# KiCad board AMC_FMC_Carrier-PcbDoc.kicad_pcb (continued)
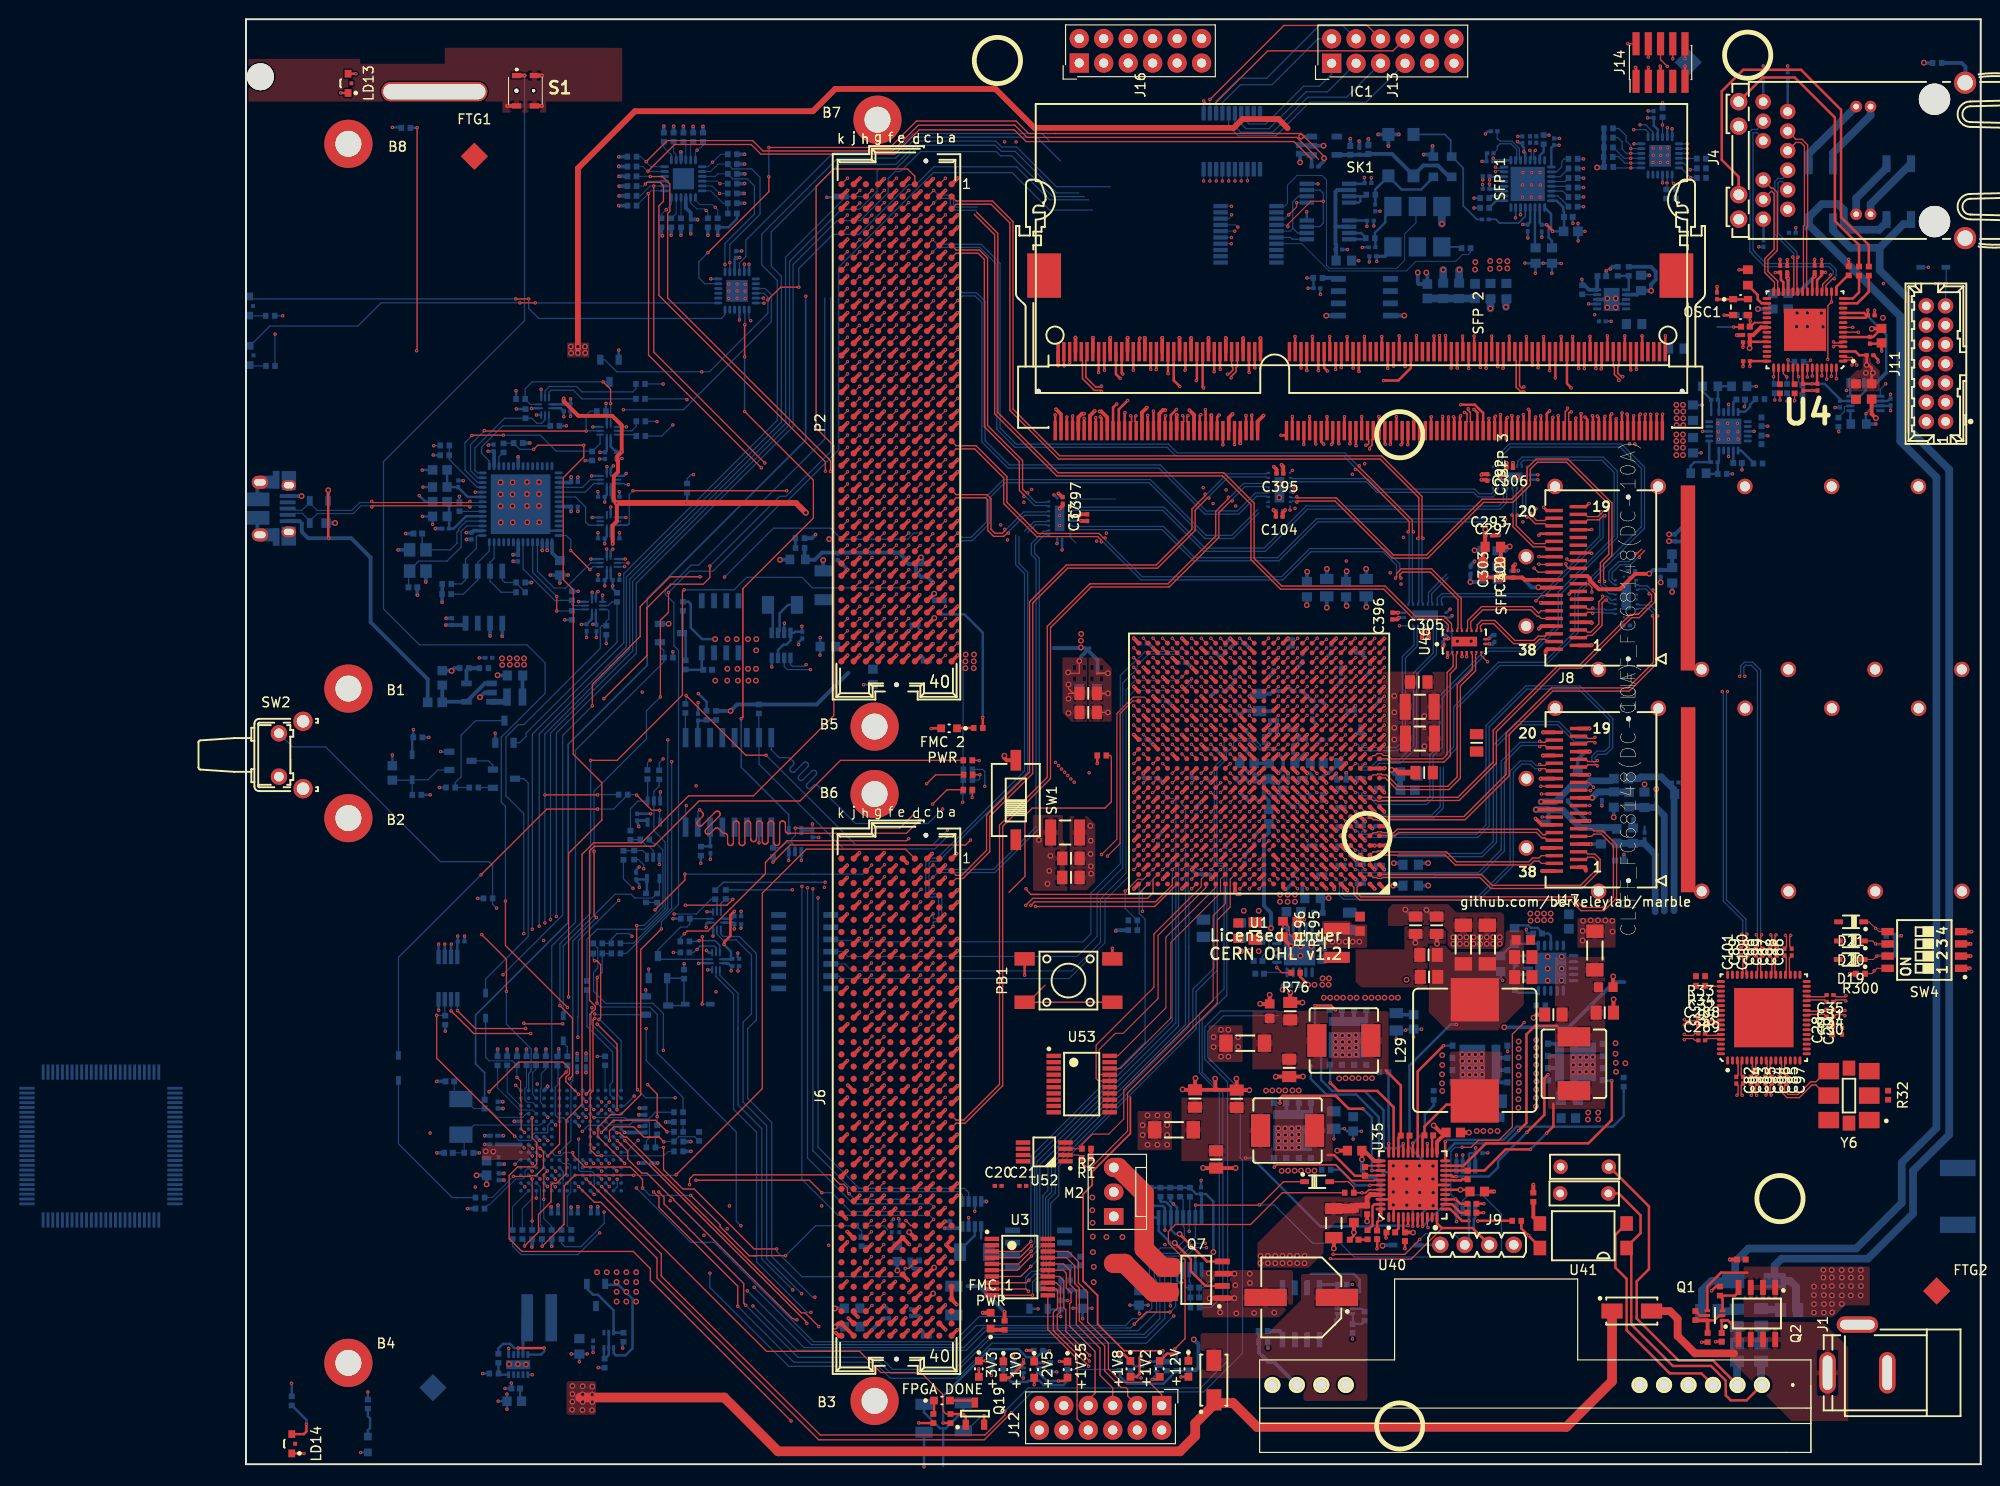
[diagram p0: board, top side]
## Routing (per net, layer and track width the routed paths; a pad name or vN(x,y) marks a point on that pad's centre or on a via; arc(x,y) is an arc through that point) (continued)
Net-(R154-Pad2): length 5.6
  Bottom w0.102: 29.59,28.92 29.64,28.87 ; 29.64,28.87 29.64,28.88 29.33,29.19 ; 29.64,28.87 29.75,28.76 29.75,27.61 28.67,26.53 R154.2
  Bottom w0.127: 29.33,29.19 29.33,29.18
Net-(R155-Pad2): length 9.1
  Top w0.127: v1(43.69,34.51) 42.49,35.7 38.15,35.7 v1(36.88,34.43)
  Bottom w0.102: R155.2 v1(43.69,34.51)
  Bottom w0.127: 36.53,34.79 36.53,34.78 v1(36.88,34.43)
Net-(R156-Pad2): length 4.8
  Top w0.254: R156.2 168.39,121.7 167.2,120.51 U4.13
Net-(R161-Pad1): length 1.4
  Top w0.254: U1.M6 v1(113.12,71.73)
  Bottom w0.4: v1(113.12,71.73) 113.12,71.16 R161.1
Net-(R168-Pad2): length 4.5
  Bottom w0.254: R189.1 131.47,54.03 R168.2 133.9,54.03 U36.16
Net-(R190-Pad2): length 5.9
  Top w0.178: v1(116.61,28.95) 116.65,28.99 U35.39
  Bottom w0.254: v1(116.61,28.95) 115.16,28.95 113.54,30.57 R190.2
Net-(R191-Pad2): length 8.4
  Top w0.254: U35.33 118.58,33.28 v1(118.57,33.28)
  Bottom w0.254: v1(118.57,33.28) 118.57,35.06 118.55,35.08 R191.2
Net-(R192-Pad2): length 6.4
  Top w0.254: v1(121.08,33.33) 121.08,33.32 U35.28
  Bottom w0.254: v1(121.08,33.33) 122.32,34.57 122.32,36.31 123.24,37.23 R192.2
Net-(R193-Pad2): length 3.6
  Top w0.254: R193.2 116.89,24.79 116.89,26.77 117.1,26.99 U35.43
Net-(R194-Pad2): length 24.7
  Top w0.254: U35.22 v1(124.43,33.49)
  Bottom w0.254: R194.2 142.95,36.16 141.83,35.04 131.85,35.04 130.47,33.66 124.6,33.66 v1(124.43,33.49)
Net-(R195-Pad2): length 3.8
  Top w0.102: v1(107.6,55.67) R196.1 107.65,56.37 108.25,55.76 108.25,55.01 108.49,54.77 R195.2
  Bottom w0.102: v1(107.6,55.67) 107.93,55.67 U37.16
Net-(R197-Pad2): length 7.6
  Bottom w0.4: R197.2 105.09,13.81 R198.1 105.09,11.61 106.09,10.61 106.66,10.61 U40.9
Net-(R200-Pad2): length 1.6
  Bottom w0.127: R200.2 26.7,105.03 26.25,104.58 U23.17
Net-(R210-Pad2): length 2.6
  Bottom w0.127: R210.2 45.59,75.46 U30.1
Net-(R262-Pad2): length 1.8
  Bottom w0.127: R262.2 165.24,108.67 165.85,109.28 165.85,109.71 165.95,109.81 166.24,109.81
Net-(R263-Pad2): length 255.2
  In2.Cu w0.127: 163.9,31.74 152.52,20.36 113.33,20.36 106.75,13.78 104.95,13.78 98.73,7.56 79.52,7.56 78.46,8.63 67.11,8.63 66.1,9.64 51.56,9.64 38.4,22.8 35.23,22.8 32.18,25.85 30.35,25.85 29.49,26.71 24.25,26.71 23.06,27.91 23.06,34.76 25.85,37.56 25.85,38.5 25.14,39.21 25.14,56.86 v1(26.01,57.72) 32.38,57.72 35.72,54.39 35.72,47.58 v1(35.9,47.4)
  In2.Cu w0.15: 163.9,31.74 166.27,31.74
  Bottom w0.127: 25.19,62.55 25.51,62.23 ; 25.19,62.55 25.59,62.16 ; 25.19,62.55 20.16,62.55 8.25,74.46 4.83,74.46 SW2.2 ; 25.51,62.23 25.55,62.2 ; 25.51,62.23 25.59,62.16 ; 38.56,42.99 35.85,45.7 35.85,47.1 35.9,47.15 v1(35.9,47.4) ; 38.56,42.99 38.56,38.36 38.93,37.99 ; 38.56,42.99 38.56,43.01 ; 25.59,62.16 R263.2 25.59,58.14 v1(26.01,57.72)
Net-(R274-Pad2): length 4.3
  Bottom w0.102: R42.1 49.5,130.9 48.21,132.19 U5.18
  Bottom w0.127: R42.1 R274.2
Net-(R281-Pad1): length 2.5
  Top w0.4: R281.1 133.58,25.66 U41.3
Net-(R283-Pad2): length 41.6
  Top w0.127: U1.T5 v1(114.1,75.71)
  Top w0.13: v1(76.07,73.04) 76.04,73.07 R286.1
  In2.Cu w0.127: v1(84,72.85) 84.01,72.85 84.49,73.33 85.03,73.33 85.03,73.34 96.37,73.34 96.42,73.28 100.3,73.27 100.47,73.44 100.47,73.58 100.98,74.1 102.38,74.1 102.4,74.08 107.99,74.08 108.43,74.52 108.43,74.55 109.21,75.33 113.72,75.33 v1(114.1,75.71)
  In4.Cu w0.127: v1(76.07,73.04) 76.84,73.04 77.03,72.85 v1(84,72.85)
  Bottom w0.13: R283.2 75.4,73.04 v1(76.07,73.04)
Net-(R284-Pad1): length 45.8
  Top w0.127: 116.62,75.23 v1(117.09,75.71) ; v1(76.15,71.57) R287.1
  In2.Cu w0.127: v1(117.09,75.71) 116.73,76.07 114.96,76.07 113.98,75.1 109.99,75.1 108.23,73.34 107.53,73.34 107.52,73.32 101.03,73.32 100.62,72.92 95.47,72.92 95.29,73.11 84.89,73.11 v1(84.31,72.53)
  In4.Cu w0.127: v1(84.31,72.53) 83.35,71.57 v1(76.15,71.57)
  GND5.Cu w0.127: 76.15,71.56 v1(76.15,71.57)
  Bottom w0.13: v1(76.15,71.57) 76.15,71.16 76.02,71.03 R284.1
Net-(R285-Pad1): length 43.5
  Top w0.102: U1.P5 v1(114.12,73.73)
  Top w0.13: R288.1 75.37,69.23 v1(75.35,69.21)
  In2.Cu w0.127: v1(114.12,73.73) 113.08,72.69 110.56,72.69 109.7,71.83 109.7,71.68 109.39,71.37 101.22,71.37 100.93,71.08 99.31,71.08 99.29,71.11 91.86,71.11 91.73,70.98 87.2,70.98 86.52,71.65 85.42,71.65 v1(85.27,71.5)
  In4.Cu w0.127: v1(75.35,69.21) 75.81,69.66 83.44,69.66 v1(85.27,71.5)
  Bottom w0.13: R285.1 75.32,69.24 v1(75.35,69.21)
Net-(R291-Pad1): length 1.7
  Top w0.13: U4.43 158.52,112.9 v1(158.51,112.89)
  Bottom w0.13: v1(158.51,112.89) 158.51,112.26 R291.1
Net-(R292-Pad1): length 1.6
  Top w0.127: v1(160,114.64) 160,113.83 U4.46
  Bottom w0.127: v1(160,114.64) 160.21,114.44 R292.1
Net-(R293-Pad1): length 1.8
  Top w0.127: R293.1 159.02,112.26 U4.44
Net-(R294-Pad1): length 1.8
  Top w0.127: v1(159.88,112.86) 159.52,113.22 U4.45
  Bottom w0.127: v1(159.88,112.86) 159.88,112.16 R294.1
Net-(R295-Pad1): length 1.8
  Top w0.127: R295.1 160.52,112.28 U4.47
Net-(R296-Pad1): length 2
  Top w0.127: U4.48 161.02,112.97 v1(161.1,112.89)
  Bottom w0.127: v1(161.1,112.89) 161.1,112.39 R296.1
Net-(U1-PadAA2): length 0.7
  Top w0.2: U1.AA2 v1(117.12,80.73)
Net-(U1-PadD11): length 0.7
  Top w0.102: U1.D11 v1(108.12,62.73)
Net-(U1-PadG11): length 0.7
  Top w0.102: U1.G11 v1(108.12,65.73)
Net-(U1-PadJ14): length 0.7
  Top w0.102: U1.J14 v1(104.12,67.73)
Net-(U1-PadV12): length 0.7
  Top w0.102: U1.V12 v1(107.12,77.73)
Net-(U1-PadW20): length 0.7
  Top w0.11: v1(98.11,78.74) 98.11,78.74 U1.W20
Net-(U1-PadY21): length 0.7
  Top w0.11: v1(97.12,79.73) 97.12,79.73 U1.Y21
Net-(U4-Pad7): length 9.6
  Top w0.127: v1(167.29,117.51) 167.29,117.51 U4.7
  In2.Cu w0.127: v1(170.14,112.15) 170.14,114.66 v1(167.29,117.51)
  Bottom w0.127: 169.58,110.85 169.58,111.59 v1(170.14,112.15)
Net-(U15-Pad8): length 6.4
  Bottom w0.127: U23.34 34.2,100.41 35.24,99.37 35.24,97.82 35.58,97.48 U15.8
Net-(U20-Pad28): length 0
  Bottom w0.178: 130.54,132.67 130.53,132.68
Net-(U23-Pad32): length 4.6
  Bottom w0.127: U23.32 34.93,101.41 35.72,102.2 U38.9
Net-(U23-Pad33): length 4.7
  Bottom w0.127: U38.8 36.1,101.8 35.21,100.91 U23.33
Net-(U23-Pad42): length 6.5
  Top w0.127: v1(33.7,94.85) 33.72,94.85 v1(35.68,92.88)
  Bottom w0.127: U23.42 33.24,96.41 33.7,95.95 v1(33.7,94.85) ; U25.8 35.97,93.16 v1(35.68,92.88)
Net-(U23-Pad46): length 11.3
  Bottom w0.127: U25.9 35.76,93.56 33.16,90.96 31.98,90.96 30.25,92.69 U23.46
Net-(U34-Pad1): length 0.9
  Bottom w0.127: U34.1 149.58,137.07 v1(149.59,137.08)
Net-(U34-Pad2): length 0.9
  Bottom w0.127: U34.2 149.57,136.57 v1(149.58,136.57)
Net-(U34-Pad3): length 0.9
  Bottom w0.127: v1(149.58,136.08) 149.57,136.07 U34.3
Net-(U39-Pad17): length 79.4
  Top w0.127: 112,135.64 109.5,138.14 84,138.14 ; v1(54.25,133.65) 54.25,132.1 v1(47.93,125.77) ; 84,138.14 83.89,138.14 ; 84,138.14 81.2,138.14 79.91,139.44 69.57,139.44 66.82,136.69 v1(54.25,136.69)
  Bottom w0.127: U39.17 47.59,122.55 46.99,123.16 46.99,124.83 v1(47.93,125.77) ; v1(54.25,133.65) v1(54.25,136.69)
Net-(U40-Pad3): length 23.9
  Top w0.254: 143.74,25.06 143.33,25.06 142.09,23.82 142.09,20.41 143.26,19.25 143.26,13.91 147.74,9.43 151.02,9.43 U40.3

## Copper pours and planes (outline as drawn; the poured copper is in the pictures)
+1V0 on Top: 118.95,58.13 124.74,58.13 125.57,57.29 130.27,57.29 130.55,57.01 130.55,54.22 129.82,53.48 125.09,53.48 124.56,54.02 124.56,55.31 124,55.87 118.49,55.87 118.49,57.67
+1V0 on Top: 117.68,82.29 121.74,82.29 121.74,72.84 118.29,72.84 117.68,73.45
+1V0 on In4.Cu: 105.76,66.95 103.48,69.23 103.48,76.47 104.09,77.08 115.57,77.11 120.84,82.38 125.04,82.36 129.56,77.84 129.56,52.62 112.72,52.62 112.72,64.3 110.08,66.95
+1V0 on GND5.Cu: 108.86,67.17 106.58,69.46 106.58,76.7 107.19,77.31 118.67,77.34 123.94,82.61 128.14,82.59 132.66,78.07 132.66,52.85 115.82,52.85 115.82,64.53 113.18,67.17
+1V0 on PWR6.Cu: 107.24,67.17 106.58,67.83 106.58,76.7 107.19,77.31 121.17,77.32 123.02,79.38 127.97,79.27 132.59,74.29 132.66,53.48 132.66,52.85 115.82,52.85 115.82,64.53 113.18,67.17
+1V8 on Top: 138.14,53.63 142.13,53.63 142.13,56.68 138.14,56.68
+1V8 on Bottom: 109.02,51.68 109.02,50.54 108.79,50.31 108.79,49.19 113.39,49.19 113.39,51.88 112.83,52.44 111.05,52.44 111.05,51.68
+1V8 on PWR6.Cu: 111.73,46.62 143.48,46.62 143.48,57.67 132.89,57.67 132.89,53.13 132.38,52.62 116.05,52.62 115.52,52.09 111.73,52.09
+1V35 on Bottom: 152.41,109.23 150.15,109.25 149.36,110.28 148.21,110.27 148.07,110.12 148.06,107.68 148.21,107.53 152.05,107.53 152.13,107.45 152.41,107.45
+1V35 on PWR6.Cu: 147.14,81.78 144.68,79.31 122.73,79.31 119.73,76.32 119.2,76.32 117.78,77.74 116.99,77.74 116.35,78.37 116.35,79.44 115.29,80.51 115.29,83.73 111.81,87.29 101.83,87.29 101.11,88 101.09,107.13 103.04,107.13 103.04,104.79 116.2,104.79 121.43,99.56 141.32,99.56 147.14,93.72
+2V5 on Top: 92.5,36.67 96.06,36.67 96.06,32.6 92.5,32.6
+2V5 on Top: 87.43,83.73 88.75,83.73 89.82,82.67 89.82,77.08 87.43,77.08
+2V5 on Top: 85.45,67.29 87.28,67.29 88.12,66.45 88.12,60.43 87.28,59.6 85.5,59.6
+2V5 on Bottom: 60.37,83.63 62.23,81.78 75.59,81.78 75.94,82.13 75.94,85.06 75.08,85.92 60.78,85.92 60.37,85.51
+2V5 on Bottom: 61.12,12.56 61.12,17.06 68.81,17.06 68.81,12.59
+2V5 on Bottom: 87.53,82.52 89.51,82.52 89.84,82.49 89.84,77.59 87.53,77.59
+2V5 on Bottom: 85.5,65.16 88.12,65.16 88.12,60.43 87.28,59.6 85.5,59.6
+2V5 on In2.Cu: 117.15,69.41 119.84,72.02 119.84,79.34 112.6,79.34 110.52,77.26 107.57,77.26 104.47,80.36 98.71,80.36 96.24,77.89 96.24,75.35 111.81,75.35 111.99,75.2 112.17,74.87 112.17,74.54 111.46,73.83 111.46,69.82 111.86,69.41
+2V5 on PWR6.Cu: 96.87,32.35 96.87,51.93 106.32,61.38 106.32,76.7 107.29,77.66 112.19,77.66 112.39,77.46 113,77.46 113.94,78.4 116.02,78.4 116.25,78.63 116.25,79.31 115.06,80.51 115.06,83.79 111.86,86.99 81.1,86.99 79.12,85 79.12,42.84 89.61,32.35
+3.3VP on Top: 33.32,116.42 35.61,116.42 35.61,114.9 33.32,114.9
+3.3VP on Bottom: 35.73,20.56 41.45,20.56 41.45,15.94 38.73,15.94 35.73,18.94
+3.3VP on PWR6.Cu: 41.2,94.58 67.99,94.58 67.99,92.04 58.85,82.9 42.85,82.9 41.83,81.88 41.83,56.61 46.02,52.42 46.02,39.84 48.18,37.68 48.18,24.98 113.08,24.98 115.36,27.27 128.06,27.27 128.06,20.92 115.87,20.92 114.09,19.14 48.18,19.14 48.18,0.73 18.46,0.73 11.6,1.49 6.14,1.49 6.14,7.97 0.56,7.97 0.56,116.55 41.2,116.55
+3V3 on Top: 99.87,45.56 103.43,45.56 103.43,41.75 99.87,41.75
+3V3 on Bottom: 106.05,55.54 106.05,56.96 105.72,57.29 105.72,57.62 105.41,57.93 103.2,57.93 102.49,57.22 102.49,55.54
+3V3 on Bottom: 121.08,124.24 123.19,124.24 123.19,121.91 121.08,121.91
+3V3 on PWR6.Cu: 173.96,142.71 177.85,142.71 177.85,78.83 173.83,78.83
+3V3 on PWR6.Cu: 167.18,142.71 174.04,142.71 174.04,78.83 166.8,78.83 166.8,61.69 171.37,61.69 171.37,3.39 168.96,3.39 168.96,0.73 48.44,0.73 48.44,18.89 68.12,18.89 68.5,19.27 68.88,19.27 69.26,18.89 114.09,18.89 116,20.79 128.19,20.79 128.19,27.78 115.49,27.78 112.95,25.24 48.44,25.24 48.44,37.81 46.28,39.97 46.28,52.54 42.09,56.73 42.09,81.75 43.1,82.77 58.98,82.77 68.12,91.91 68.12,94.71 41.32,94.71 41.32,116.81 0.56,116.81 0.56,140.94 39.54,140.94 39.54,145.13 167.18,145.13 ; 1 cut-out
+3V3_CLEAN on Bottom: 126.64,121.78 126.74,121.8 131.59,121.85 131.59,125.28 126.64,125.31
+3V3_CLEAN on In4.Cu: 112.61,118.13 130.79,118.11 139.19,126.29 139.12,126.19 139.09,136.75 134.88,141.01 131.07,141.01 127.21,138.32 108.66,138.32 108.58,121.78
+3V3_USB on Bottom: 24.81,82.08 27.66,82.08 28.01,81.73 28.01,78.53 29.61,78.53 29.61,83.81 29.21,84.22 24.81,84.22
+3V3_USB on In2.Cu: 17.07,78.83 17.07,68.93 21.64,68.93 22.91,70.2 22.91,75.53 26.18,78.81
+3V3_USB on In2.Cu: 38.88,110.89 38.88,87.19 30.38,78.68 17.07,78.68 17.07,110.89
+12V on Top: 104.95,20.41 110.28,20.41 111.81,21.94 111.81,23.79 113.05,25.03 116.65,25.06 116.67,27.8 109.78,27.78 104.95,22.95
+12V on Top: 155.39,20.51 155.39,15.26 164.69,15.26 165.9,16.48 168.49,16.48 168.49,20.51
+12V on Bottom: 110.92,16.73 110.92,22.24 104.8,22.24 104.8,16.73
+12V on Bottom: 105.41,35.4 115.47,35.42 115.47,38.37 111.78,38.37 110.72,39.44 105.41,39.41
+12V on Bottom: 111.35,45.08 121.79,45.08 121.79,49.11 111.35,49.11
+12V on Bottom: 133.32,44.62 137.13,44.62 137.13,35.35 133.32,35.35
+12V on Bottom: 128.83,39.27 129.41,38.69 129.41,35.19 131.62,35.19 132.66,36.24 132.66,44.49 128.83,44.49
+12V on Bottom: 47.99,85.97 53.32,85.97 53.32,81 47.99,81
+12V on Bottom: 91.88,29.43 91.88,23.33 93.55,21.67 93.55,16.96 85.15,16.96 85.15,19.15 83.56,20.74 83.56,25.76 87.23,29.43
+12V on In7.Cu: 86.94,12.36 82.5,12.36 78.56,8.42 57.99,8.42 56.13,8.45 50.7,13.88 50.7,28.29 60.5,28.29 60.5,22.06 63.62,18.94 75.64,18.94 86.97,30.27 86.87,30.27 87.09,30.5
+12V on In7.Cu: 156.23,74.77 166.95,74.77 166.95,61.15 168.78,59.32 170.66,59.32 170.66,12.36 86.61,12.36 86.61,33.06 102.61,49.06 135.4,49.06 156.23,69.89
+12V on In7.Cu: 55.74,86.05 55.74,61.03 60.47,56.29 60.47,25.89 50.73,25.89 50.75,51.45 48.31,53.6 47.5,53.6 47.5,86.05
+12V_FMC1 on Bottom: 70.41,21.99 71.57,23.16 75.21,23.16 75.21,17.67 72.39,17.67 71.42,16.83 69.95,16.83 69.95,21.58
+12V_FMC2 on Bottom: 56.28,87.98 57.1,87.16 71.85,87.16 72.18,87.49 72.18,90.31 71.55,90.95 56.84,90.95 56.28,90.39
GND on Top: 120.19,53.46 120.19,55.82 124.05,55.82 124.51,55.36 124.51,54.04 122.6,54.04 122.6,49.5 115.72,49.5 115.14,50.08 115.14,53.46
GND on Top: -1.86,145.89 11.86,145.89 11.86,145.38 20.62,145.38 20.62,147.03 39.04,147.03 39.04,141.44 31.16,141.44 31.16,140.3 26.59,140.3 26.59,141.44 -1.86,141.44
GND on Top: 84.71,83.76 87.28,83.76 87.28,77.08 85.65,77.08 84.63,78.1 84.74,78.1
GND on Top: 81.64,67.39 84.76,67.39 84.76,64.83 85.25,63.99 85.25,59.52 81.67,59.52
GND on Top: 121.81,82.26 121.81,72.81 124.55,72.81 124.55,82.26
GND on Top: 99.22,20.16 108.65,20.16 108.66,16.7 107.19,15.23 99.23,15.23
GND on Bottom: 129.31,35.4 129.51,35.19 130.65,35.19 130.78,35.07 130.78,34.05 130.58,33.85 127.48,33.85 127.35,33.98 127.35,38.93 129,38.93 129.31,38.62
GND on Bottom: 106.05,55.34 102.49,55.34 102.49,52.37 104.37,50.49 105.21,50.49 105.21,52.34 106.05,53.18
GND on Bottom: -1.86,145.89 11.86,145.89 11.86,145.38 20.62,145.38 20.62,147.03 39.04,147.03 39.04,141.44 31.16,141.44 31.16,140.3 26.59,140.3 26.59,141.44 -1.86,141.44
GND on Bottom: 69.82,16.6 74.88,16.6 74.88,14.82 73.12,13.07 69.82,13.07
GND on Bottom: 81.72,59.7 85.25,59.7 85.25,64.4 81.72,64.4
GND on Bottom: 107.19,32.35 111.73,32.35 111.73,30.04 107.19,30.04
GND on Bottom: 112.93,42.05 117.45,42.05 117.45,39.03 112.93,39.03
GND on Bottom: 123.03,42.94 125.75,42.94 125.75,38.4 123.03,38.4
GND on Bottom: 140.18,44.31 144.45,44.31 144.45,40.25 140.18,40.25
GND on Bottom: 137.44,38.99 140.97,38.98 140.97,35.14 137.44,35.16
GND on GND1.Cu: 173.99,142.71 177.85,142.71 177.85,78.83 173.83,78.83
GND on GND1.Cu: 26.72,144.36 31.04,144.36 31.04,140.3 26.72,140.3
GND on GND1.Cu: 39.93,140.81 39.93,145.13 166.93,145.13 166.93,142.71 174.04,142.71 174.04,78.83 166.67,78.83 166.67,61.81 171.24,61.81 171.24,3.65 168.7,3.65 168.7,0.85 22.15,0.85 22.15,4.16 -1.73,4.16 -1.73,7.2 0.3,7.2 0.3,140.81
GND on GND3.Cu: 173.96,141.57 177.85,141.57 177.85,78.83 173.83,78.83
GND on GND3.Cu: 39.93,140.81 39.93,145.13 166.93,145.13 166.93,141.57 174.04,141.57 174.04,78.83 166.67,78.83 166.67,61.81 171.24,61.81 171.24,3.65 168.7,3.65 168.7,0.85 22.15,0.85 22.15,4.16 -1.73,4.16 -1.73,7.2 0.3,7.2 0.3,140.81
GND on PWR6.Cu: 173.96,141.57 177.85,141.57 177.85,78.83 173.83,78.83
VCCAUX on In9.Cu: 107.75,74.51 106.92,75.34 106.92,76.74 107.48,77.3 111.05,77.3 113.02,75.33 122.54,75.33 122.54,70.48 110.48,70.48 109.06,69.05 107.91,69.05 107.75,69.22
VCCAUXIO2V0 on Bottom: 112.57,72.15 112.57,76.42 109.65,76.42 109.65,72.15
VCCAUXIO2V0 on Bottom: 152.38,107 150.96,107 150.7,107.25 148.21,107.25 148.06,107.1 148.06,104.43 148.32,104.18 149.33,104.18 149.51,104.35 149.51,105.57 149.64,105.7 152.38,105.7
VCCAUXIO2V0 on In7.Cu: 143.38,91.1 147.29,91.1 147.29,87.57 136.19,76.47 131.49,71.54 114.74,71.54 113.59,72.63 113.59,75.94 113.74,76.09 128.37,76.09
VCCBRAM on Top: 111.66,56.4 114.5,56.4 114.86,56.05 116.33,56.05 116.33,53.58 111.66,53.58
VCCBRAM on In7.Cu: 117.45,55.76 115.39,57.82 107.75,57.82 107.62,57.92 107.62,69.04 110.31,71.74 110.31,75.67 108.66,77.32 105.92,77.32 104.22,75.62 104.22,58.2 103.3,57.28 103.3,52.08 104.65,50.73 116.36,50.73 117.45,51.82
/ESDSTRIP1 on Bottom: 17.98,0.04 17.98,-0.97 165.99,-0.97 165.99,0.04
/ESDSTRIP2 on Top: 17.98,0.04 17.98,-0.97 165.99,-0.97 165.99,0.04
/FMC_1/FMC1_3P3VAUX on Bottom: 66.52,24.43 68.93,24.43 68.93,21.86 66.52,21.86
/Power/Power_SW/PSS_XRP_LX1 on Top: 106.73,38.07 112.75,38.07 112.75,31.44 106.73,31.44
/Power/Power_SW/PSS_XRP_LX2 on Top: 112.62,47.03 118.56,47.03 118.56,40.5 112.62,40.5
/Power/Power_SW/PSS_XRP_LX3 on Top: 130.35,42.84 130.35,37.02 124.91,37.02 124.91,42.84
/Power/Power_SW/PSS_XRP_LX4 on Top: 135.1,42.56 141.04,42.56 141.04,36.87 135.1,36.87
/Power/Power_SW/XR77129ILB_F_VOUT1 on Top: 97.05,38.07 106.52,38.07 106.52,31.46 97.05,31.46
/Power/Power_SW/XR77129ILB_F_VOUT2 on Top: 104.42,47.06 112.29,47.06 112.29,40.99 104.42,40.99
/Power/Power_SW/XR77129ILB_F_VOUT3 on Top: 122.73,46.93 124.63,45.02 129.89,45.02 132.59,47.72 132.59,55.44 130.88,55.44 130.63,55.18 130.63,53.81 129.99,53.18 125.07,53.18 124.41,53.84 122.73,53.84
/Power/Power_SW/XR77129ILB_F_VOUT4 on Top: 135.81,52.67 141.03,52.67 141.03,42.76 135.81,42.76
MGTAVCC on Bottom: 108.61,56.66 108.61,58.13 110.36,58.13 110.36,59.5 112.34,61.49 113.56,61.49 113.66,61.59 113.66,70.43 113.44,70.66 109.27,70.66 106.98,68.37 106.98,66.08 106.3,65.4 106.3,56.66
MGTAVCC on In7.Cu: 112.88,70.63 113.79,69.71 113.79,59.99 111.99,58.16 111.89,58.05 106.96,58.05 106.96,68.32 109.27,70.63
MGTAVTT on Bottom: 133.19,58.13 132.71,57.64 132.71,56.04 133.22,55.53 136.26,55.53 136.92,56.2 137.61,56.2 138.17,56.75 138.17,57.95 137.99,58.13
MGTAVTT on In7.Cu: 119.99,71.29 128.75,62.53 128.75,58.82 127.62,57.5 115.66,57.5 113.81,59.43 113.81,71.29
Net-(C42-Pad2) on Top: 169.5,111.39 166.2,111.39 166.2,112.63 167.14,113.57 167.55,113.57 167.75,113.77 167.75,115.45 168.59,115.45 168.59,114.41 169.5,113.5
Net-(C42-Pad2) on Bottom: 169.2,112.86 166.3,112.86 164.2,114.97 156.5,114.97 155.56,115.91 155.56,117.97 157.74,120.15 157.74,123.86 158.23,124.34 164.7,124.34 165.59,123.45 165.59,119.49 169.2,115.88
Net-(C128-Pad1) on Top: 154,14.75 163.62,14.75 166.25,12.12 166.25,4.48 160.38,4.48 154.02,10.84
Net-(C129-Pad1) on Top: 33.27,8.63 36.32,8.63 36.32,5.12 33.27,5.12
Net-(C129-Pad1) on Bottom: 29.05,9.82 29.05,8.83 29.28,8.6 36.32,8.6 36.32,5.15 27.81,5.15 27.81,8.47 28.01,8.68 28.01,9.82
Net-(C132-Pad1) on Bottom: 35.25,18.43 37.51,16.17 37.51,12.28 34.11,12.28 33.35,11.52 30.73,11.52 30.73,18.43
Net-(C143-Pad1) on Bottom: 138.57,56.25 138.58,53.75 138.58,52.71 138.43,52.49 137.08,52.49 137.08,53.13 136.87,53.22 135.07,53.21 135.06,54.98 136.56,56.43 138.35,56.43
Net-(C199-Pad1) on Top: 29.92,33.19 29.92,31.59 24.43,31.59 24.43,33.19
Net-(C199-Pad1) on Bottom: 24.25,30.83 26.59,30.83 26.59,32.78 24.25,32.78
Net-(C350-Pad1) on Top: 99.03,8.93 108.84,8.93 109.73,8.04 109.73,6.57 116.35,6.58 116.35,19.76 109.47,19.75 109.47,17.03 106.04,13.6 99.06,13.6
Net-(C350-Pad1) on Bottom: 106.75,11.55 109.62,8.68 109.62,6.34 113.23,6.34 113.23,15.05 106.75,15.05
Net-(C383-Pad1) on Bottom: 108.99,56.28 108.69,56.58 108.69,58.08 111.35,58.08 111.35,56.73 112.55,55.54 112.55,54.35 111.08,54.35 111.08,55.01 110.97,55.11 108.99,55.11
Net-(Q16-Pad5) on Bottom: 77.82,25.26 81.23,25.26 81.23,19.37 75.46,19.37 75.46,25.29
Net-(Q23-Pad5) on Bottom: 47,91.54 54.09,91.54 55.27,90.36 55.27,87.62 54.02,87.62 53.26,86.86 46.45,86.86 46.45,91.53

## Text on the board
Top: Marble v2
F.SilkS: FMC 2 / PWR | FPGA DONE | FMC 1 / PWR | github.com/berkeleylab/marble | +3V3 | +1V0 | +2V5 | +1V35 | +1V8 | +1V2 | +12V | SFP 2 | SFP 1 | SFP 4 | SFP 3 | Licensed under / CERN OHL v1.2
